# Altium PCB PCB_Layout_1.PcbDoc (part 1 of 3)
Units mm, origin at the board's own origin, x right, y up, seen from the top; angles counter-clockwise.
Board outline 151 x 101.6 mm, 6 copper layers (Top Layer, Int1 (GND), Int2 (PWR), Int3 (PWR), Int4 (GND), Bottom Layer), stack 1.831 mm thick; 257 components, 234 nets, 854 pads, 2543 vias.
Unrouted connection lines stored in the file: 1.
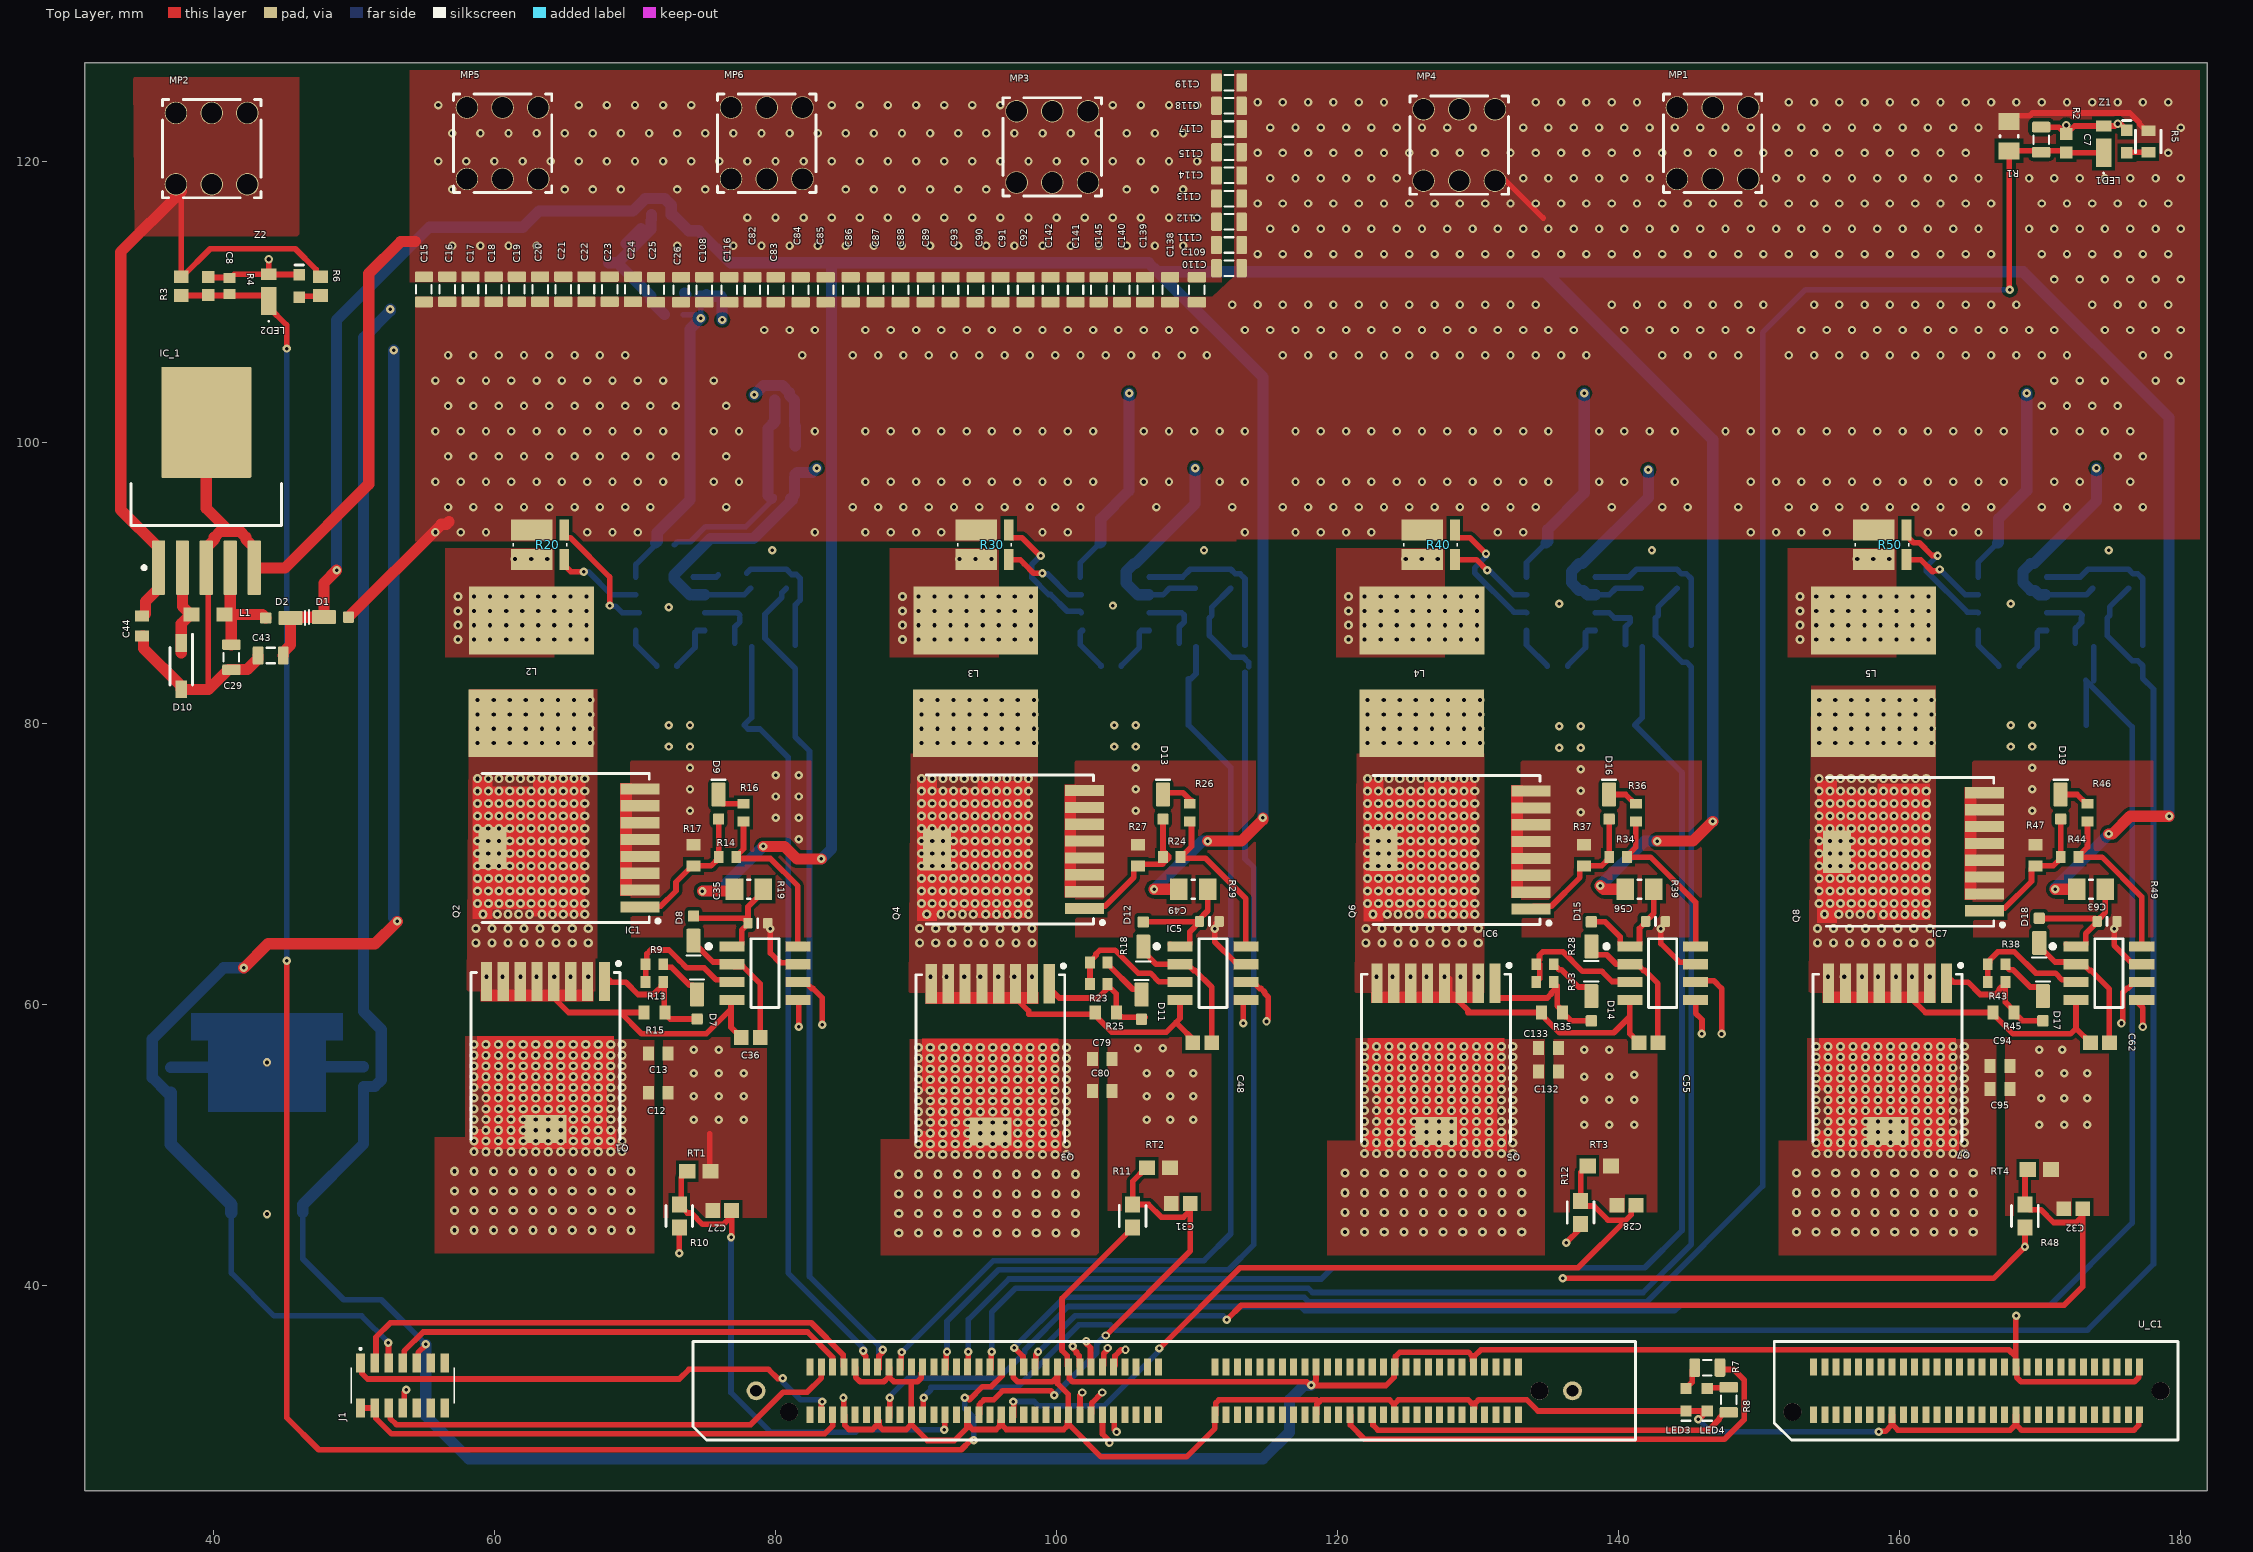
[diagram p0: Top Layer view]
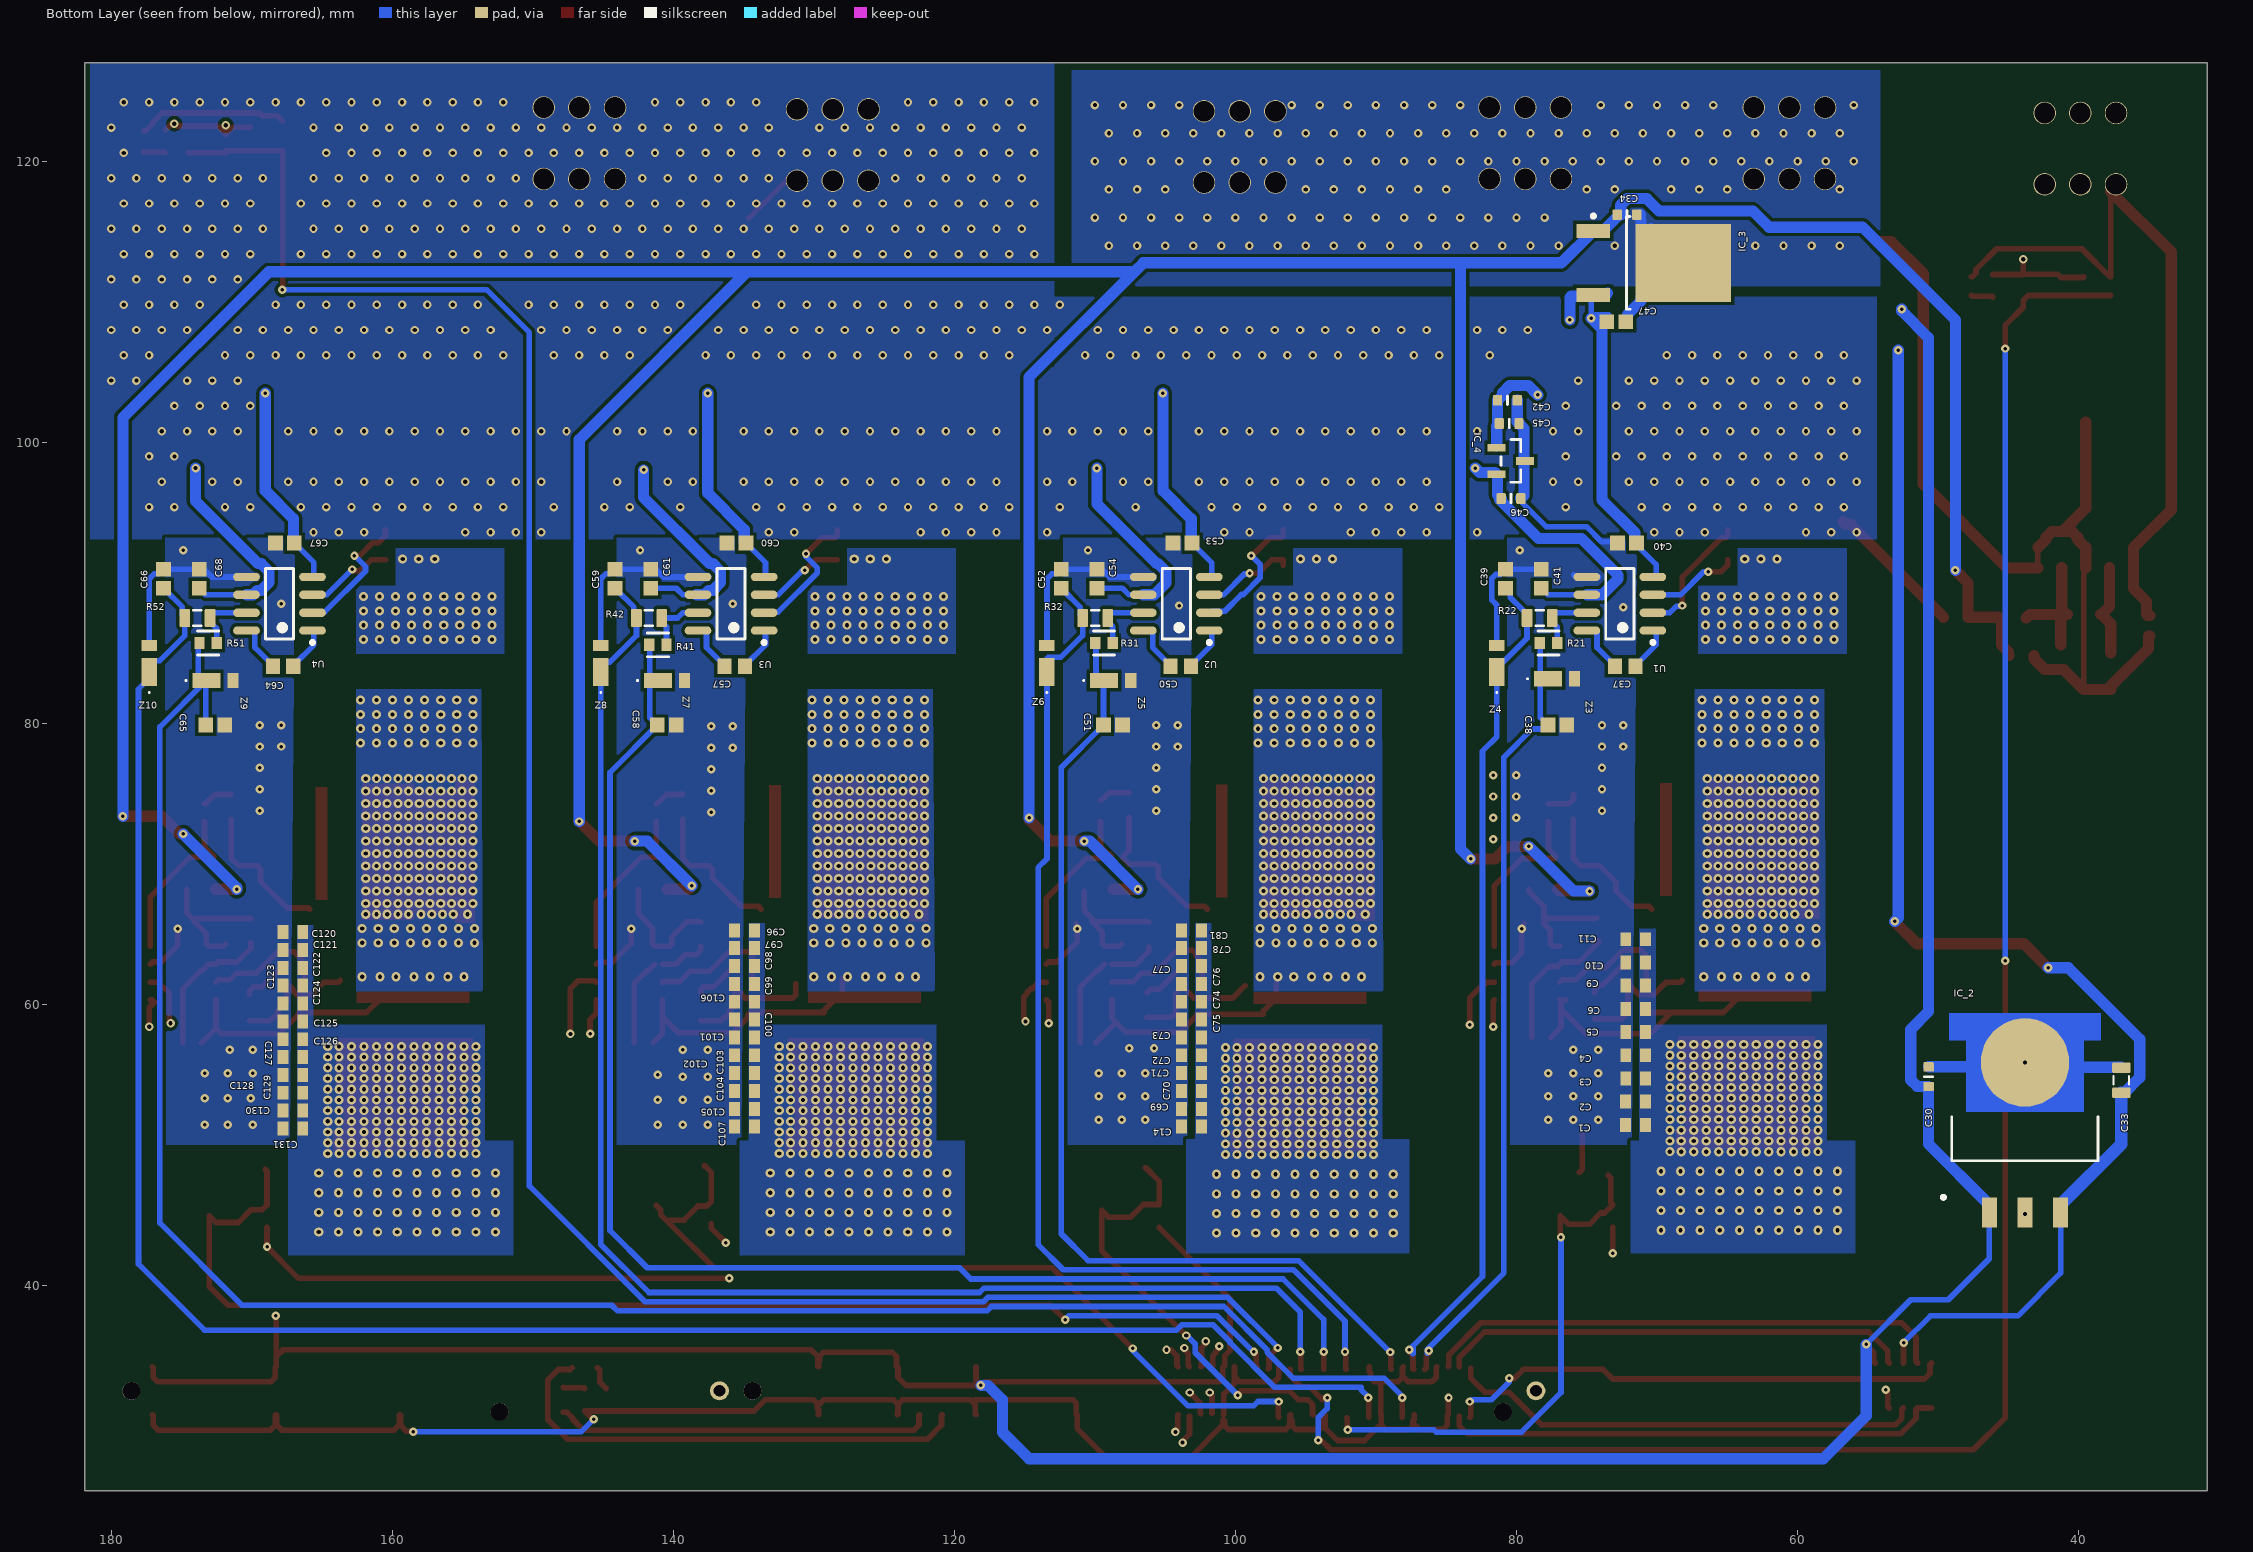
[diagram p1: Bottom Layer view, seen from below]
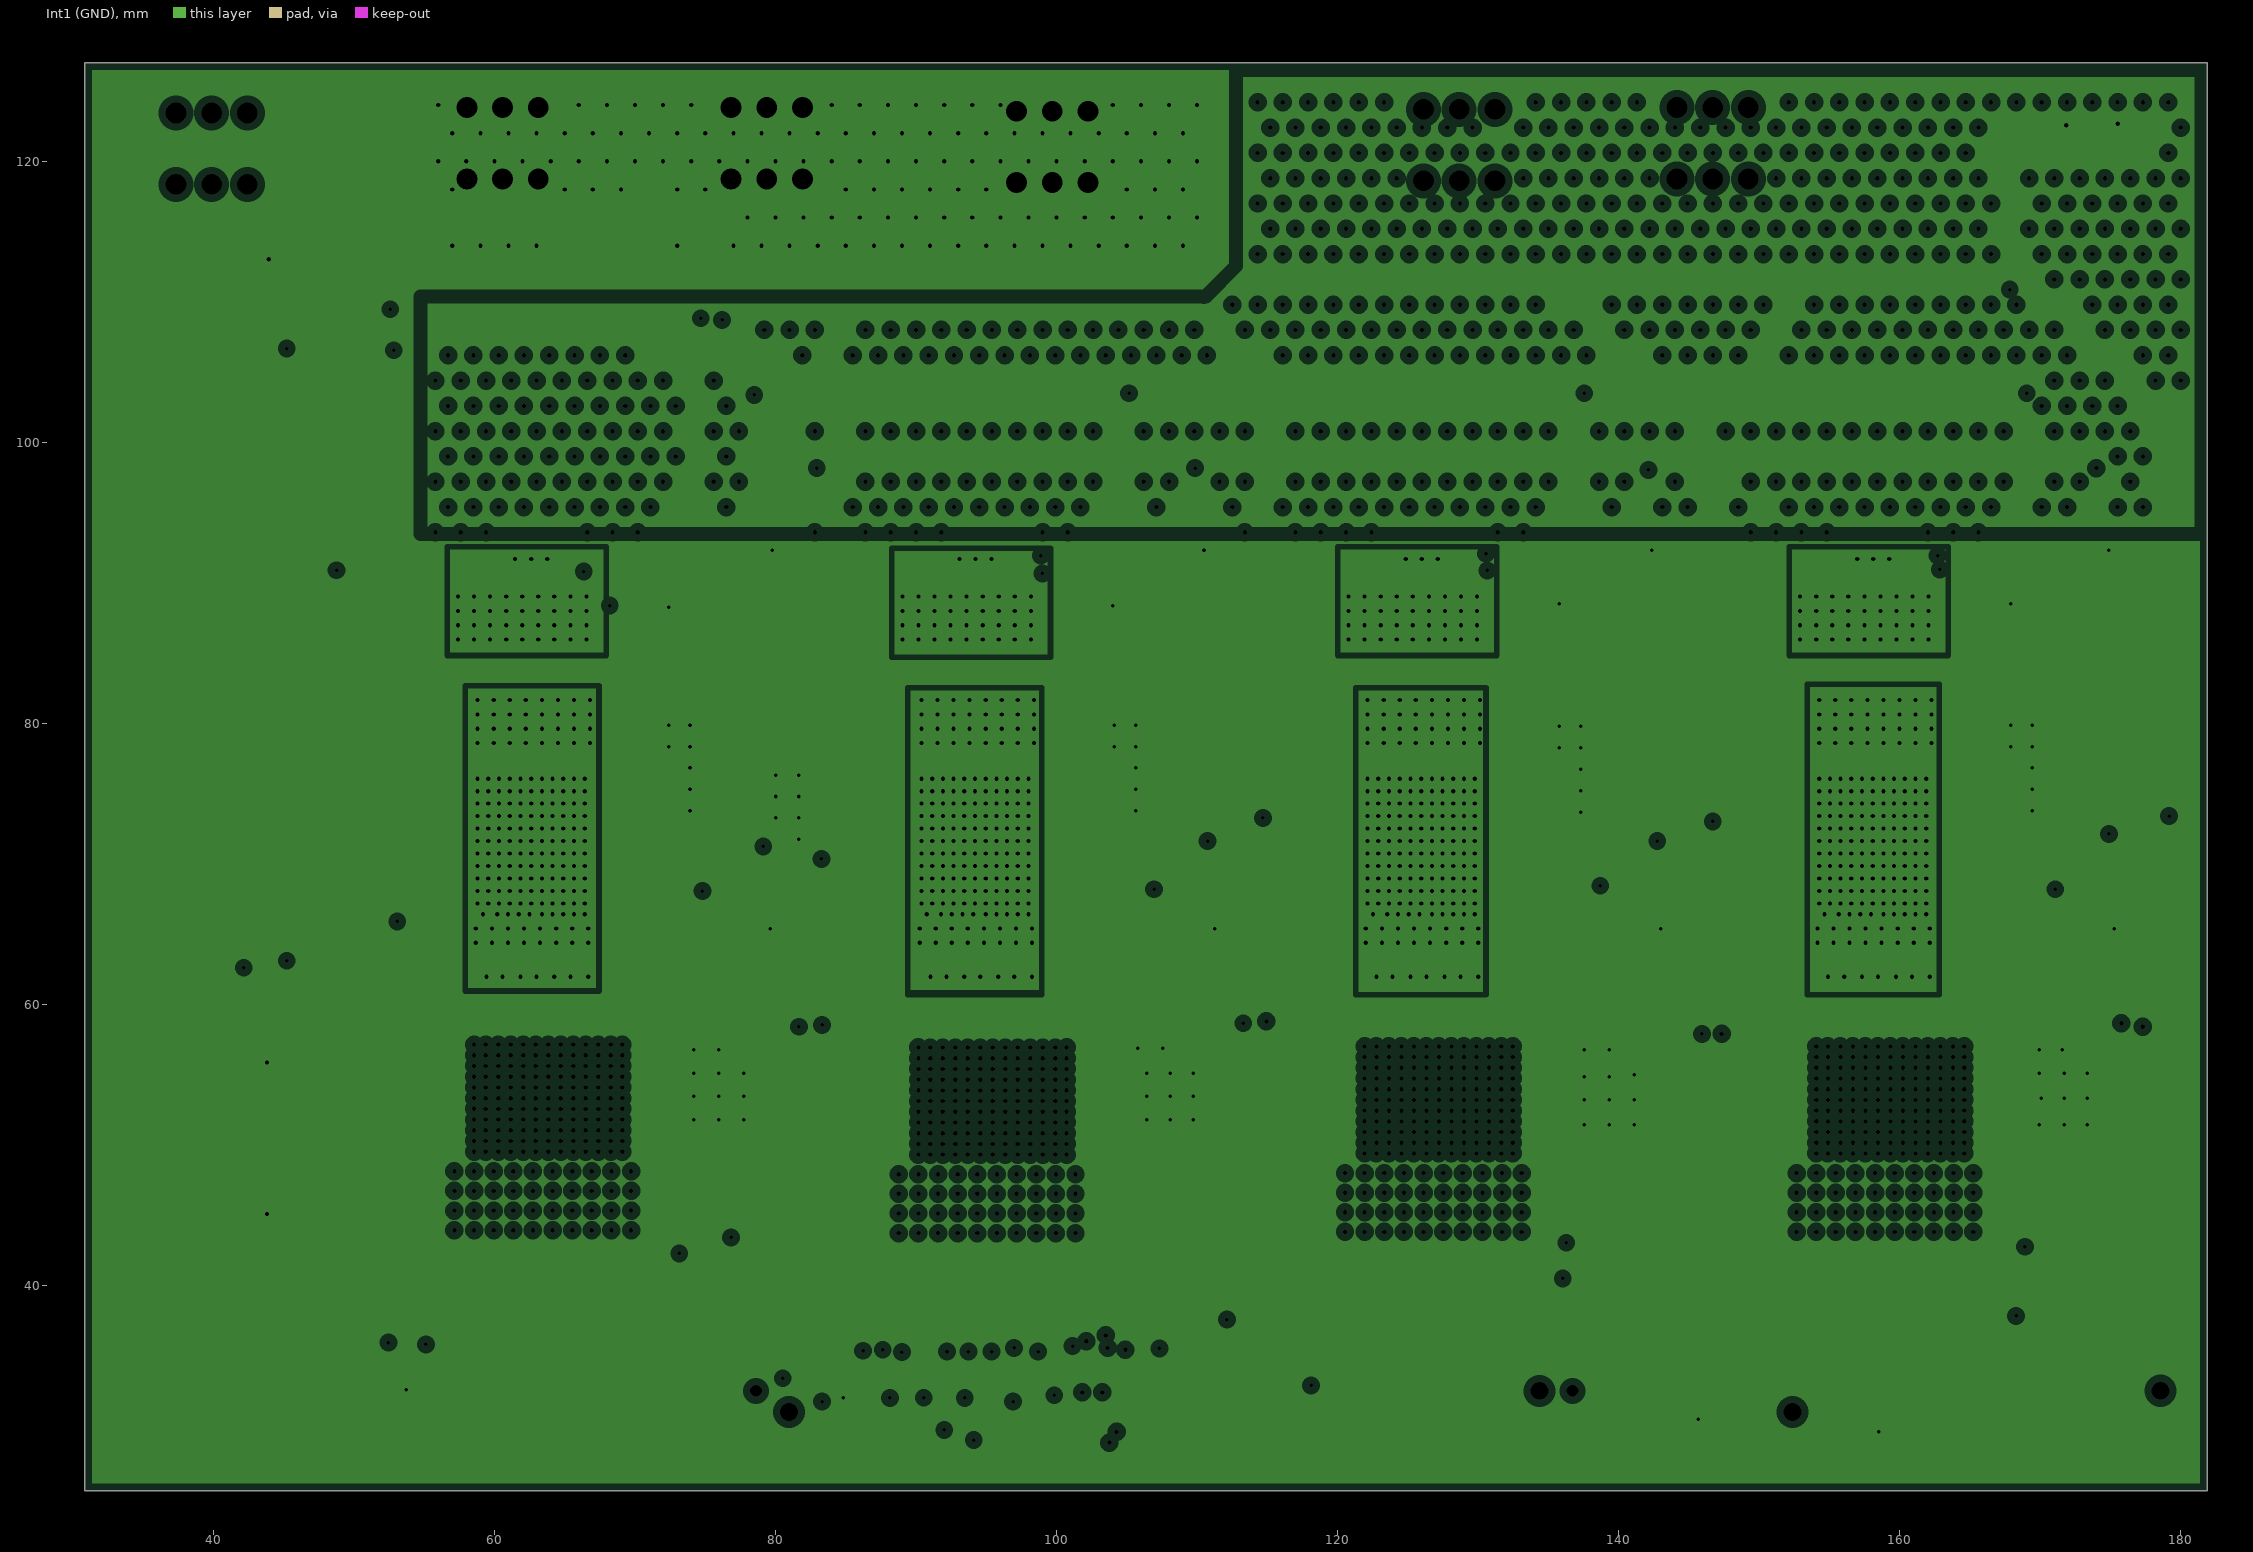
[diagram p2: Int1 (GND), clearances drawn from the general rule]
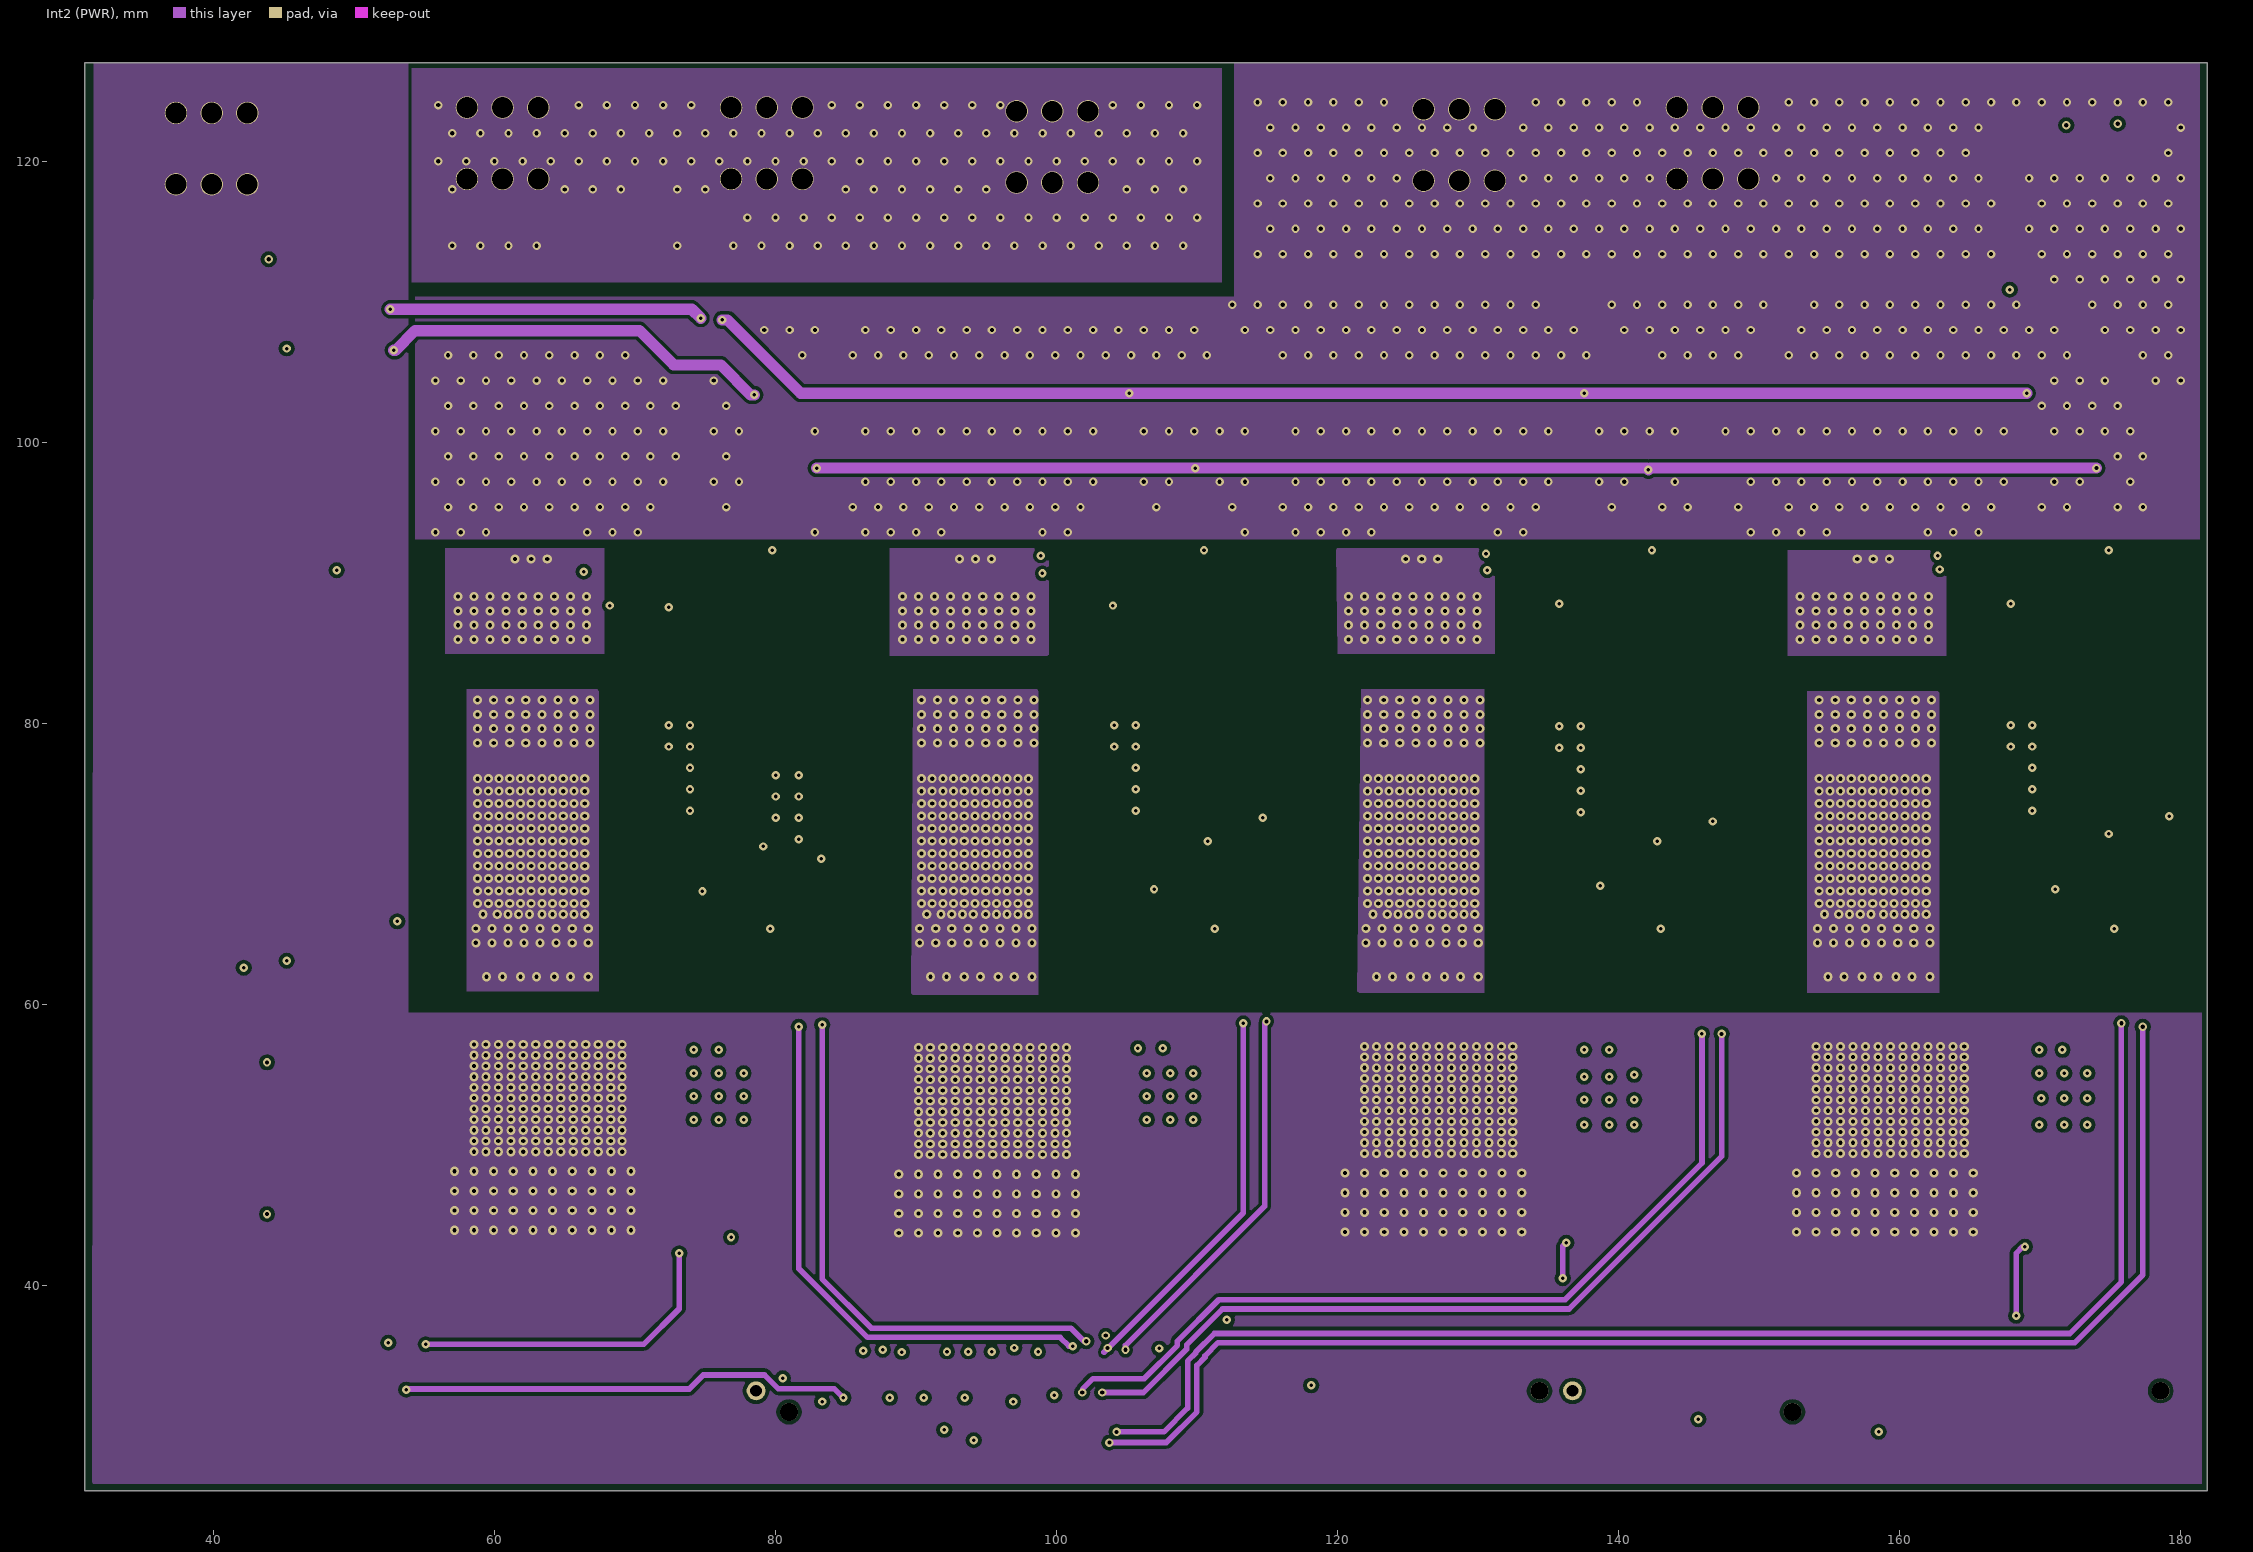
[diagram p3: Int2 (PWR)]